# KiCad board Left.kicad_pcb (continued)
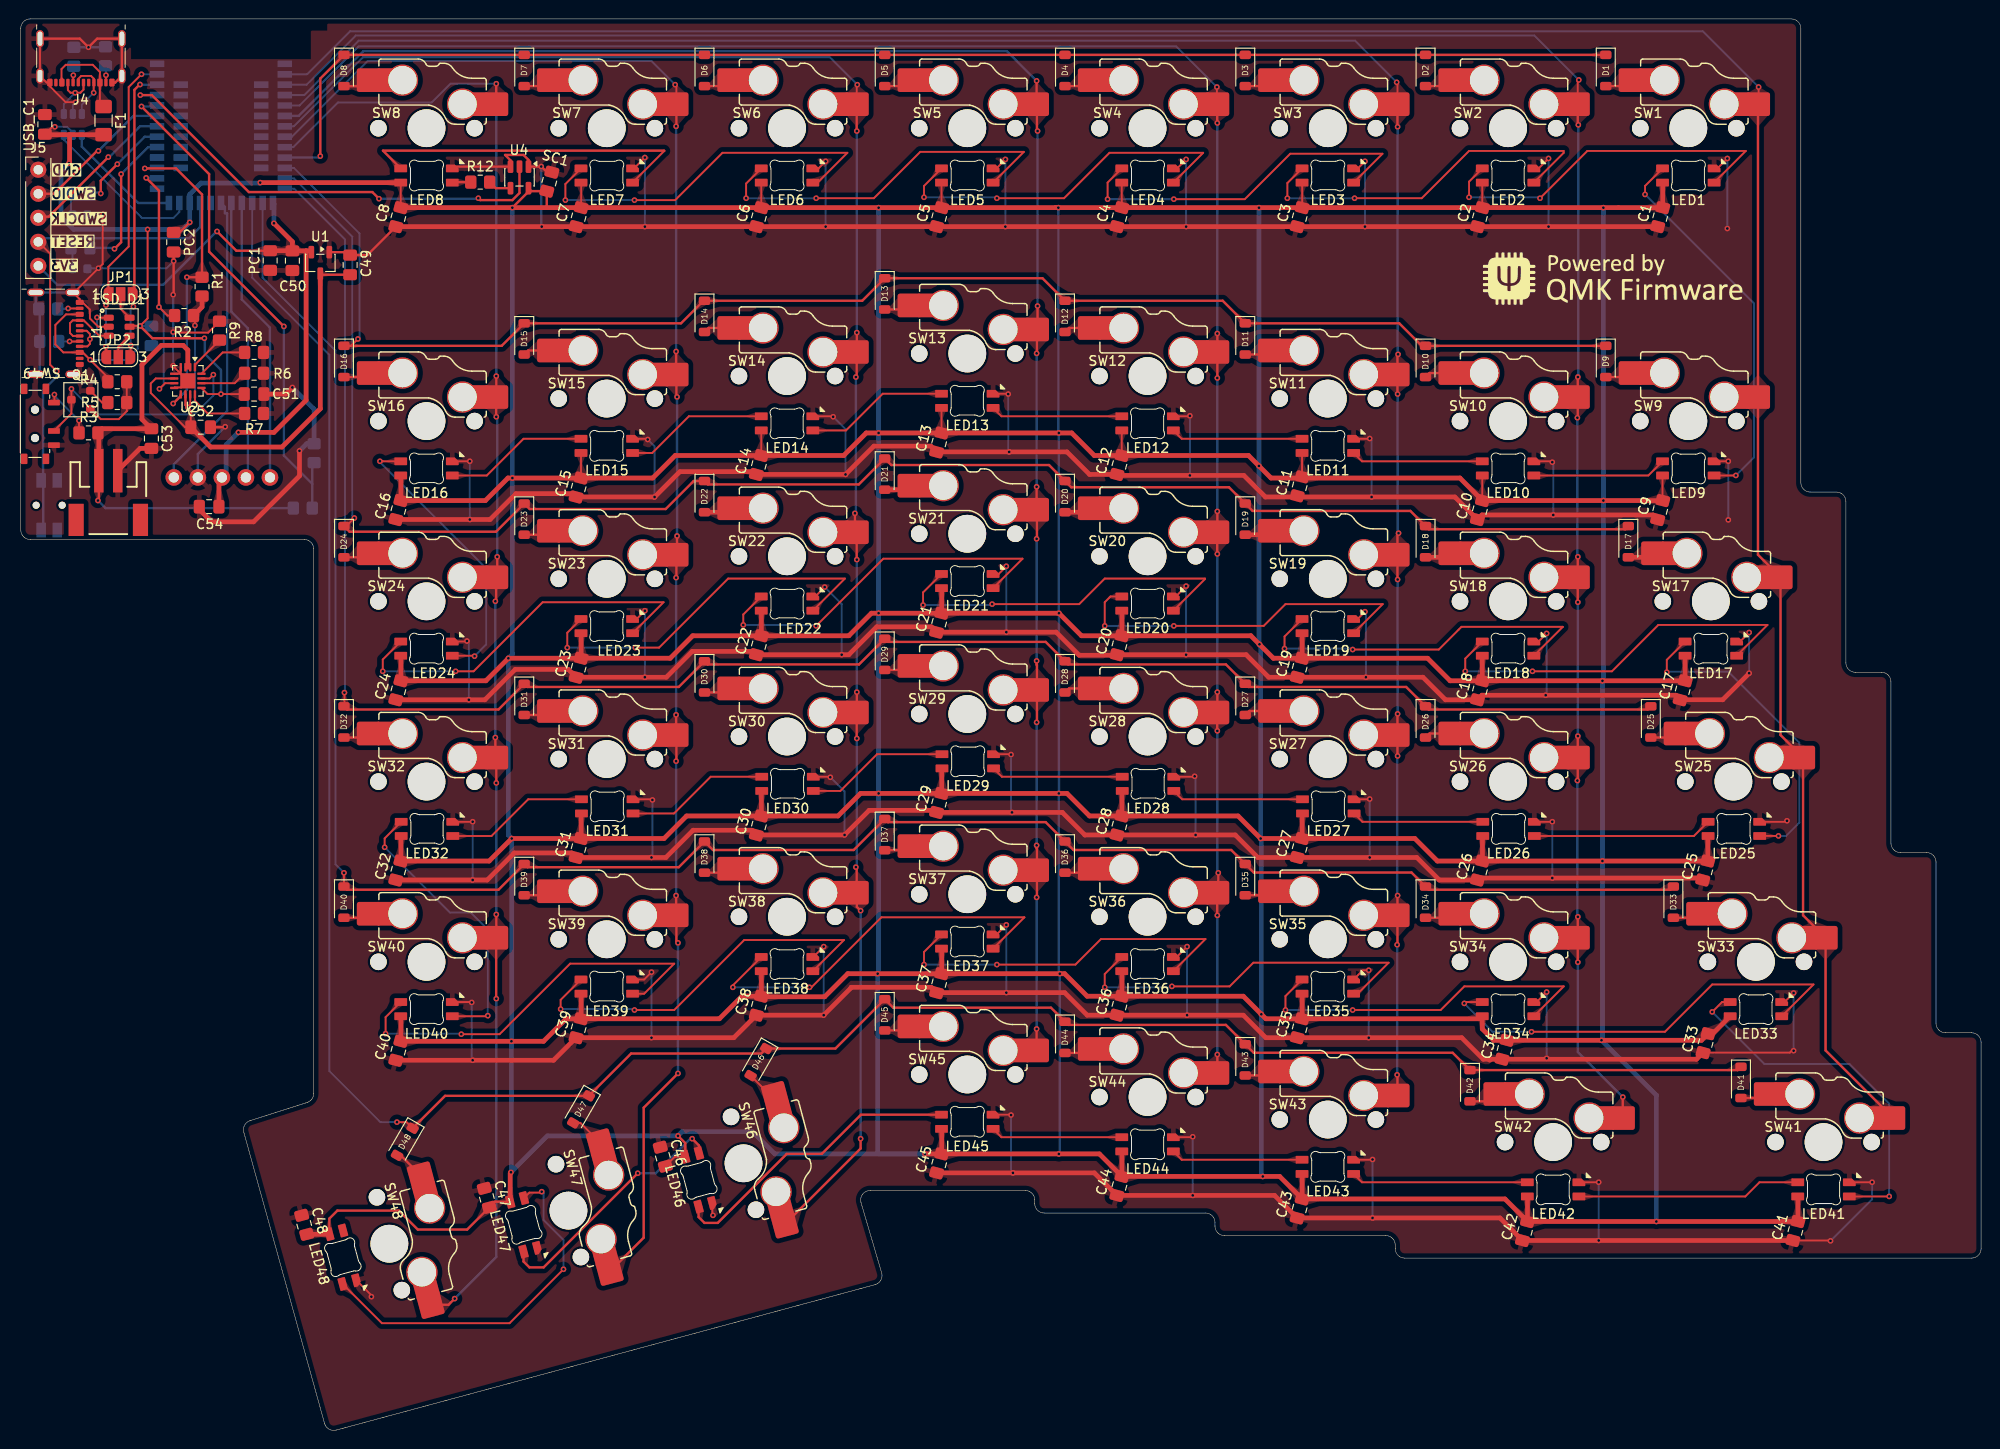
[diagram p0: board, top side]
## Footprints (pads in the part's own frame, mm; a bottom-side part is the same pattern mirrored in y, then rotated)
C_0805_2012Metric_Pad1.18x1.45mm_HandSolder
  rrect 1.175x1.45 smd: 1(-1.038,0) 2(1.038,0)
D_SOD-123
  rrect 0.9x1.2 smd: 1(-1.65,0) 2(1.65,0)
Fuse_1206_3216Metric_Pad1.42x1.75mm_HandSolder
  rrect 1.425x1.75 smd: 1(-1.488,0) 2(1.488,0)
JST_1x02_P2.0mm_Horizontal_SMD
  rect 1x4.6 smd: 1(-1,-3.7) 2(1,-3.7)
  rect 1.6x3.4 smd: NC1(-3.4,1.5) NC2(3.4,1.5)
LED_0603_1608Metric
  rrect 0.875x0.95 smd: 1(-0.787,0) 2(0.787,0)
LED_MX_6028R-ROT
  rrect 1.35x0.82 smd: 1(-2.725,-0.75) 2(-2.725,0.75) 3(2.725,-0.75) 4(2.725,0.75)
LED_MX_6028R-ROT#2
  rrect 1.35x0.82 smd: 1(-2.725,-0.75) 2(-2.725,0.75) 3(2.725,-0.75) 4(2.725,0.75)
nice_view
  round 1.753 hole 1.092: 1(-5.08,-16.51) 2(-2.54,-16.51) 3(0,-16.51) 4(2.54,-16.51) 5(5.08,-16.51)
nRF52840_holyiot_18010
  rect 1.524x0.7 smd: 1(-6.75,5.7) 2(-6.75,4.6) 3(-6.75,3.5) 4(-6.75,2.4) 5(-6.75,1.3) 6(-6.75,0.2) 7(-6.75,-0.9) 8(-6.75,-2) 9(-6.75,-3.1) 10(-6.75,-4.2) 11(-6.75,-5.3) 12(-6.75,-6.4) 13(-6.75,-7.5) 25(6.75,-7.5) 26(6.75,-6.4) 27(6.75,-5.3) 28(6.75,-4.2) 29(6.75,-3.1) 30(6.75,-2) 31(6.75,-0.9) 32(6.75,0.2) 33(6.75,1.3) 34(6.75,2.4) 35(6.75,3.5) 36(6.75,4.6) 37(6.75,5.7) 38(-4.25,3.5) 39(-4.25,2.4) 40(-4.25,1.3) 41(-4.25,0.2) 42(-4.25,-0.9) 43(-4.25,-2) 44(-4.25,-3.1) 45(-4.25,-4.2) 46(-4.25,-5.3) 47(4.25,3.5) 48(4.25,2.4) 49(4.25,1.3) 50(4.25,0.2) 51(4.25,-0.9) 52(4.25,-2) 53(4.25,-3.1) 54(4.25,-4.2) 55(4.25,-5.3)
  rect 0.7x1.524 smd: 14(-5.5,-9) 15(-4.4,-9) 16(-3.3,-9) 17(-2.2,-9) 18(-1.1,-9) 19(0,-9) 20(1.1,-9) 21(2.2,-9) 22(3.3,-9) 23(4.4,-9) 24(5.5,-9)
Panasonic_EVQPUL_EVQPUC
  round 0.75 hole 0.75 unplated: (0,-1.375) (0,1.375)
  rect 1.55x1 smd: 1(-2.625,0.85) 1(2.625,0.85) 2(-2.625,-0.85) 2(2.625,-0.85)
PinHeader_01x05_P2.54mm_Vertical_THT_D1mm
  round 1.7 hole 1: 1(0,0)
  oval 1.7x1.7 hole 1: 2(0,-2.54) 3(0,-5.08) 4(0,-7.62) 5(0,-10.16)
R_0805_2012Metric_Pad1.20x1.40mm_HandSolder
  rrect 1.2x1.4 smd: 1(-1,0) 2(1,0)
SolderJumper-3_P1.3mm_Open_RoundedPad1.0x1.5mm_NumberLabels
  custom 1.05x1.5 smd: 1(-1.3,0) 3(1.3,0)
  rect 1x1.5 smd: 2(0,0)
SOT-23
  rrect 0.9x0.8 smd: 1(-1,0.95) 2(-1,-0.95) 3(1,0)
SOT-23-3
  rrect 1.325x0.6 smd: 1(-1.137,0.95) 2(-1.137,-0.95) 3(1.137,0)
SOT-23-5
  rrect 1.325x0.6 smd: 1(-1.137,0.95) 2(-1.137,0) 3(-1.137,-0.95) 4(1.137,-0.95) 5(1.137,0.95)
SOT-23-6
  rrect 1.06x0.65 smd: 1(-1.1,0.95) 2(-1.1,0) 3(-1.1,-0.95) 4(1.1,-0.95) 5(1.1,0) 6(1.1,0.95)
SOT-23-6#2
  rrect 1.06x0.65 smd: 1(-1.1,0.95) 2(-1.1,0) 3(-1.1,-0.95) 4(1.1,-0.95) 5(1.1,0) 6(1.1,0.95)
SW_MSK12C02-HB
  round 0.85 hole 0.85 unplated: (-1.5,0) (1.5,0)
  rrect 0.6x1.25 smd: 1(2.25,-2) 2(-0.75,-2) 3(-2.25,-2)
  rrect 1.1x0.7 smd: MP(-3.7,-1.15) MP(-3.7,1.15) MP(3.7,-1.15) MP(3.7,1.15)
SW_MX_HS_KS-2P02B01-01_1.5u
  round 1.75 hole 1.75 unplated: (-5.08,0) (5.08,0)
  round 3.988 hole 3.988 unplated: (0,0)
  round 3.3 hole 3: 1(3.81,2.54) 2(-2.54,5.08)
  rect 1.65x2.5 smd: 1(5.635,2.54) 2(-4.34,5.08)
  rrect 2.55x2.5 smd: 1(7.36,2.54) 2(-6.09,5.08)
SW_MX_HS_KS-2P02B01-01_1.25u
  round 1.75 hole 1.75 unplated: (-5.08,0) (5.08,0)
  round 3.988 hole 3.988 unplated: (0,0)
  round 3.3 hole 3: 1(3.81,2.54) 2(-2.54,5.08)
  rect 1.65x2.5 smd: 1(5.635,2.54) 2(-4.34,5.08)
  rrect 2.55x2.5 smd: 1(7.36,2.54) 2(-6.09,5.08)
SW_MX_HS_KS-2P02B01-01_1.75u
  round 1.75 hole 1.75 unplated: (-5.08,0) (5.08,0)
  round 3.988 hole 3.988 unplated: (0,0)
  round 3.3 hole 3: 1(3.81,2.54) 2(-2.54,5.08)
  rect 1.65x2.5 smd: 1(5.635,2.54) 2(-4.34,5.08)
  rrect 2.55x2.5 smd: 1(7.36,2.54) 2(-6.09,5.08)
SW_MX_HS_KS-2P02B01-01_1u
  round 1.75 hole 1.75 unplated: (-5.08,0) (5.08,0)
  round 3.988 hole 3.988 unplated: (0,0)
  round 3.3 hole 3: 1(3.81,2.54) 2(-2.54,5.08)
  rect 1.65x2.5 smd: 1(5.635,2.54) 2(-4.34,5.08)
  rrect 2.55x2.5 smd: 1(7.36,2.54) 2(-6.09,5.08)
USB_C_Receptacle_HRO_TYPE-C-31-M-23
  rrect 0.52x0.8 smd: A1(-3.28,2.425) A4(-2.01,2.425) A9(2.01,2.425) A12(3.28,2.425) B1(3.28,2.425) B4(2.01,2.425) B9(-2.01,2.425) B12(-3.28,2.425)
  rrect 0.35x0.8 smd: A5(-2.645,2.425) A6(-1.375,2.425) A7(1.375,2.425) A8(2.645,2.425) B5(0.825,2.425) B6(0.275,2.425) B7(-0.275,2.425) B8(-0.825,2.425)
  oval 0.8x1.6 hole 0.5x1.3: S1(-4.325,1.725) S1(4.325,1.725)
  oval 0.8x1.8 hole 0.5x1.5: S1(-4.325,-2.215) S1(4.325,-2.215)
VQFN-16-1EP_3x3mm_P0.5mm_EP1.6x1.6mm
  rrect 0.64x0.64 smd: (-0.4,0.4) (-0.4,-0.4) (0.4,0.4) (0.4,-0.4)
  rrect 0.875x0.25 smd: 1(-1.437,0.75) 2(-1.438,0.25) 3(-1.438,-0.25) 4(-1.437,-0.75) 9(1.437,-0.75) 10(1.438,-0.25) 11(1.438,0.25) 12(1.437,0.75)
  rrect 0.25x0.875 smd: 5(-0.75,-1.437) 6(-0.25,-1.438) 7(0.25,-1.438) 8(0.75,-1.437) 13(0.75,1.437) 14(0.25,1.438) 15(-0.25,1.438) 16(-0.75,1.437)
  rect 1.6x1.6 smd: 17(0,0)

## Nets
+3.3V: C50.1 C54.1 J5.5 OLED1.3 PC1.1 U1.2 U3.14
+5V: C1.2 C2.2 C3.2 C4.2 C5.2 C6.2 C7.2 C8.2 C9.2 C10.2 C11.2 C12.2 C13.2 C14.2 C15.2 C16.2 C17.2 C18.2 C19.2 C20.2 C21.2 C22.2 C23.2 C24.2 C25.2 C26.2 C27.2 C28.2 C29.2 C30.2 C31.2 C32.2 C33.2 C34.2 C35.2 C36.2 C37.2 C38.2 C39.2 C40.2 C41.2 C42.2 C43.2 C44.2 C45.2 C46.2 C47.2 C48.2 C51.1 ESD_D1.5 ESD_D2.5 F1.2 J1.A4 J1.A9 J1.B4 J1.B9 LED1.1 LED2.1 LED3.1 LED4.1 LED5.1 LED6.1 LED7.1 LED8.1 LED9.1 LED10.1 LED11.1 LED12.1 LED13.1 LED14.1 LED15.1 LED16.1 LED17.1 LED18.1 LED19.1 LED20.1 LED21.1 LED22.1 LED23.1 LED24.1 LED25.1 LED26.1 LED27.1 LED28.1 LED29.1 LED30.1 LED31.1 LED32.1 LED33.1 LED34.1 LED35.1 LED36.1 LED37.1 LED38.1 LED39.1 LED40.1 LED41.1 LED42.1 LED43.1 LED44.1 LED45.1 LED46.1 LED47.1 LED48.1 PC2.1 R4.2 SC1.1 U2.13 U3.22 U4.5 USB_C1.1 USBI_C1.1
GND: B_LED1.1 C1.1 C2.1 C3.1 C4.1 C5.1 C6.1 C7.1 C8.1 C9.1 C10.1 C11.1 C12.1 C13.1 C14.1 C15.1 C16.1 C17.1 C18.1 C19.1 C20.1 C21.1 C22.1 C23.1 C24.1 C25.1 C26.1 C27.1 C28.1 C29.1 C30.1 C31.1 C32.1 C33.1 C34.1 C35.1 C36.1 C37.1 C38.1 C39.1 C40.1 C41.1 C42.1 C43.1 C44.1 C45.1 C46.1 C47.1 C48.1 C49.2 C50.2 C51.2 C52.2 C53.2 C54.2 ESD_D1.2 ESD_D2.2 G_LED1.1 J1.A1 J1.A12 J1.B1 J1.B12 J1.S1 J3.1 J4.A1 J4.A12 J4.B1 J4.B12 J4.S1 J5.1 LED1.4 LED2.4 LED3.4 LED4.4 LED5.4 LED6.4 LED7.4 LED8.4 LED9.4 LED10.4 LED11.4 LED12.4 LED13.4 LED14.4 LED15.4 LED16.4 LED17.4 LED18.4 LED19.4 LED20.4 LED21.4 LED22.4 LED23.4 LED24.4 LED25.4 LED26.4 LED27.4 LED28.4 LED29.4 LED30.4 LED31.4 LED32.4 LED33.4 LED34.4 LED35.4 LED36.4 LED37.4 LED38.4 LED39.4 LED40.4 LED41.4 LED42.4 LED43.4 LED44.4 LED45.4 LED46.4 LED47.4 LED48.4 OLED1.4 PC1.2 PC2.2 Q1.2 R5.1 R6.1 R7.1 R8.1 R9.1 R11.2 R13.2 R14.2 Reset_Btn1.2 SC1.2 SW49.3 U1.1 U2.4 U2.5 U2.8 U2.17 U3.1 U3.25 U3.37 U4.1 U4.3 USB_C1.2 USBI_C1.2 USBR1.2 USBR2.2
+BATT: C53.1 J3.2 R3.2 R10.1 U2.2 U2.3
+VSW: C49.1 C52.1 R1.2 R2.2 U1.3 U2.6 U2.10 U2.11
BLUE_LED: R15.1 U3.30
BT_CHG: R1.1 U2.9 U3.27
BT_PGOOD: R2.1 U2.7 U3.26
CS: OLED1.5 U3.19
D+: ESD_D2.4 U3.24
D-: ESD_D2.6 U3.23
GREEN_LED: R17.1 U3.29
LINK+: ESD_D1.4 JP2.2
LINK-: ESD_D1.6 JP1.2
MOSI: OLED1.1 U3.17
R_COL1: SW8.1 SW16.1 SW24.1 SW32.1 SW40.1 SW48.1 U3.9
R_COL2: SW7.1 SW15.1 SW23.1 SW31.1 SW39.1 SW47.1 U3.8
R_COL3: SW6.1 SW14.1 SW22.1 SW30.1 SW38.1 SW46.1 U3.7
R_COL4: SW5.1 SW13.1 SW21.1 SW29.1 SW37.1 SW45.1 U3.6
R_COL5: SW4.1 SW12.1 SW20.1 SW28.1 SW36.1 SW44.1 U3.5
R_COL6: SW3.1 SW11.1 SW19.1 SW27.1 SW35.1 SW43.1 U3.4
R_COL7: SW2.1 SW10.1 SW18.1 SW26.1 SW34.1 SW42.1 U3.3
R_COL8: SW1.1 SW9.1 SW17.1 SW25.1 SW33.1 SW41.1 U3.2
R_LED1: LED8.3 R12.1
R_LED_3v3_1: U3.34 U4.2
R_ROW1: D1.1 D2.1 D3.1 D4.1 D5.1 D6.1 D7.1 D8.1 U3.10
R_ROW2: D9.1 D10.1 D11.1 D12.1 D13.1 D14.1 D15.1 D16.1 U3.11
R_ROW3: D17.1 D18.1 D19.1 D20.1 D21.1 D22.1 D23.1 D24.1 U3.12
R_ROW4: D25.1 D26.1 D27.1 D28.1 D29.1 D30.1 D31.1 D32.1 U3.13
R_ROW5: D33.1 D34.1 D35.1 D36.1 D37.1 D38.1 D39.1 D40.1 U3.15
R_ROW6: D41.1 D42.1 D43.1 D44.1 D45.1 D46.1 D47.1 D48.1 U3.16
RESET: J5.4 Reset_Btn1.1 U3.21
SCK: OLED1.2 U3.18
SWDCLK: J5.3 U3.31
SWDIO: J5.2 U3.32
SYS_OFF: Q1.3 SW49.2 U2.15
USART_RX: JP1.1 JP2.1 U3.36
USART_TX: JP1.3 JP2.3 U3.35
VSENSE: R10.2 R11.1 U3.33
Net-(B_LED1-A): B_LED1.2 R15.2
Net-(D1-A): D1.2 SW1.2
Net-(D2-A): D2.2 SW2.2
Net-(D3-A): D3.2 SW3.2
Net-(D4-A): D4.2 SW4.2
Net-(D5-A): D5.2 SW5.2
Net-(D6-A): D6.2 SW6.2
Net-(D7-A): D7.2 SW7.2
Net-(D8-A): D8.2 SW8.2
Net-(D9-A): D9.2 SW9.2
Net-(D10-A): D10.2 SW10.2
Net-(D11-A): D11.2 SW11.2
Net-(D12-A): D12.2 SW12.2
Net-(D13-A): D13.2 SW13.2
Net-(D14-A): D14.2 SW14.2
Net-(D15-A): D15.2 SW15.2
Net-(D16-A): D16.2 SW16.2
Net-(D17-A): D17.2 SW17.2
Net-(D18-A): D18.2 SW18.2
Net-(D19-A): D19.2 SW19.2
Net-(D20-A): D20.2 SW20.2
Net-(D21-A): D21.2 SW21.2
Net-(D22-A): D22.2 SW22.2
Net-(D23-A): D23.2 SW23.2
Net-(D24-A): D24.2 SW24.2
Net-(D25-A): D25.2 SW25.2
Net-(D26-A): D26.2 SW26.2
Net-(D27-A): D27.2 SW27.2
Net-(D28-A): D28.2 SW28.2
Net-(D29-A): D29.2 SW29.2
Net-(D30-A): D30.2 SW30.2
Net-(D31-A): D31.2 SW31.2
Net-(D32-A): D32.2 SW32.2
Net-(D33-A): D33.2 SW33.2
Net-(D34-A): D34.2 SW34.2
Net-(D35-A): D35.2 SW35.2
Net-(D36-A): D36.2 SW36.2
Net-(D37-A): D37.2 SW37.2
Net-(D38-A): D38.2 SW38.2
Net-(D39-A): D39.2 SW39.2
Net-(D40-A): D40.2 SW40.2
Net-(D41-A): D41.2 SW41.2
Net-(D42-A): D42.2 SW42.2
Net-(D43-A): D43.2 SW43.2
Net-(D44-A): D44.2 SW44.2
Net-(D45-A): D45.2 SW45.2
Net-(D46-A): D46.2 SW46.2
Net-(D47-A): D47.2 SW47.2
Net-(D48-A): D48.2 SW48.2
Net-(ESD_D1-L1-Pad1): ESD_D1.1 J1.A7 J1.B7
Net-(ESD_D1-L2-Pad3): ESD_D1.3 J1.A6 J1.B6
Net-(ESD_D2-L1-Pad1): ESD_D2.1 J4.A7 J4.B7
Net-(ESD_D2-L2-Pad3): ESD_D2.3 J4.A6 J4.B6
Net-(F1-Pad1): F1.1 J4.A4 J4.A9 J4.B4 J4.B9
Net-(G_LED1-A): G_LED1.2 R17.2
Net-(J1-CC1): J1.A5 USBR1.1
Net-(J1-CC2): J1.B5 USBR2.1
Net-(J4-CC1): J4.A5 R13.1
Net-(J4-CC2): J4.B5 R14.1
Net-(LED1-DIN): LED1.3 LED2.2
Net-(LED1-DOUT): LED1.2 LED9.3
Net-(LED2-DIN): LED2.3 LED3.2
Net-(LED3-DIN): LED3.3 LED4.2
Net-(LED4-DIN): LED4.3 LED5.2
Net-(LED5-DIN): LED5.3 LED6.2
Net-(LED6-DIN): LED6.3 LED7.2
Net-(LED7-DIN): LED7.3 LED8.2
Net-(LED10-DIN): LED9.2 LED10.3
Net-(LED10-DOUT): LED10.2 LED11.3
Net-(LED11-DOUT): LED11.2 LED12.3
Net-(LED12-DOUT): LED12.2 LED13.3
Net-(LED13-DOUT): LED13.2 LED14.3
Net-(LED14-DOUT): LED14.2 LED15.3
Net-(LED15-DOUT): LED15.2 LED16.3
Net-(LED16-DOUT): LED16.2 LED24.3
Net-(LED17-DIN): LED17.3 LED18.2
Net-(LED17-DOUT): LED17.2 LED25.3
Net-(LED18-DIN): LED18.3 LED19.2
Net-(LED19-DIN): LED19.3 LED20.2
Net-(LED20-DIN): LED20.3 LED21.2
Net-(LED21-DIN): LED21.3 LED22.2
Net-(LED22-DIN): LED22.3 LED23.2
Net-(LED23-DIN): LED23.3 LED24.2
Net-(LED25-DOUT): LED25.2 LED26.3
Net-(LED26-DOUT): LED26.2 LED27.3
Net-(LED27-DOUT): LED27.2 LED28.3
Net-(LED28-DOUT): LED28.2 LED29.3
Net-(LED29-DOUT): LED29.2 LED30.3
Net-(LED30-DOUT): LED30.2 LED31.3
Net-(LED31-DOUT): LED31.2 LED32.3
Net-(LED32-DOUT): LED32.2 LED40.3
Net-(LED33-DIN): LED33.3 LED34.2
Net-(LED33-DOUT): LED33.2 LED41.3
Net-(LED34-DIN): LED34.3 LED35.2
Net-(LED35-DIN): LED35.3 LED36.2
Net-(LED36-DIN): LED36.3 LED37.2
Net-(LED37-DIN): LED37.3 LED38.2
Net-(LED38-DIN): LED38.3 LED39.2
Net-(LED39-DIN): LED39.3 LED40.2
Net-(LED41-DOUT): LED41.2 LED42.3
Net-(LED42-DOUT): LED42.2 LED43.3
Net-(LED43-DOUT): LED43.2 LED44.3
Net-(LED44-DOUT): LED44.2 LED45.3
Net-(LED45-DOUT): LED45.2 LED46.3
Net-(LED46-DOUT): LED46.2 LED47.3
Net-(LED47-DOUT): LED47.2 LED48.3
Net-(Q1-G): Q1.1 R4.1 R5.2
Net-(SW49-A): R3.1 SW49.1
Net-(U2-ILIM): R7.2 U2.12
Net-(U2-ISET): R8.2 U2.16
Net-(U2-TMR): R6.2 U2.14
Net-(U2-TS): R9.2 U2.1
Net-(U4-Y): R12.2 U4.4

Pads without a net: J1 A8 B8; J3 NC1 NC2; J4 A8 B8; LED48 2; SW49 MP; U3 20 28 38 39 40 41 42 43 44 45 46 47 48 49 50 51 52 53 54 55

## Via types
v1: diameter 0.6, hole 0.3, Top to Bottom, 321 vias

## Routing (per net, layer and track width the routed paths; a pad name or vN(x,y) marks a point on that pad's centre or on a via; arc(x,y) is an arc through that point)
+3.3V: length 72
  Top w0.2: 21.37,100.8 OLED1.3
  Top w0.25: PC1.1 22.78,124.65 v1(20.74,126.68)
  Top w0.5: v1(26.76,127.55) 28.71,125.6 C50.1 ; C54.1 20.94,100.37 OLED1.3 ; v1(23.01,105.45) 26.76,105.45 30.16,108.85 30.16,124.63 ; C50.1 30.16,124.63 ; C50.1 28.69,124.65 PC1.1 ; 30.16,124.63 30.57,124.63 U1.2
  Bottom w0.25: J5.5 3.85,121.05 15.06,121.05 20.53,126.52 20.58,126.52 v1(20.74,126.68)
  Bottom w0.5: OLED1.3 21.71,101.14 21.71,104.15 v1(23.01,105.45) ; v1(26.76,127.55) 26.76,129.6 U3.14
+5V: length 1637
  Top w0.2: LED12.1 116.36,103.02 C12.2 ; ESD_D1.5 11.59,116.7 v1(12.61,116.7) 13.41,117.5 v1(13.41,126.9) ; USB_C1.1 3.34,137.75 v1(3.61,137.75) ; LED46.1 69.12,28.89 C46.2 ; C6.2 78.26,129.22 LED6.1 ; LED7.1 59.22,131.83 C7.2 ; J1.A4 4.78,117.92 3.66,116.8 3.66,114.75 4.5,113.9 J1.A9 6.55,113.9 v1(7.33,113.12) 9.2,111.25 R4.2 ; C51.1 19.74,109.5 U2.13 ; C4.2 116.36,129.22 LED4.1 ; C5.2 97.31,129.22 LED5.1 ; LED13.1 97.31,105.41 C13.2 ; LED3.1 135.41,131.55 135.42,131.53 C3.2 ; LED2.1 154.46,129.22 C2.2 ; C9.2 173.51,98.26 LED9.1 ; LED8.1 40.16,129.22 C8.2 ; C15.2 59.21,100.64 LED15.1 ; 135.42,100.62 135.41,100.64 LED11.1 ; LED14.1 78.26,103.02 C14.2 ; C10.2 154.46,98.26 LED10.1
  Top w0.25: v1(51.96,129.2) 53.66,130.9 U4.5 53.97,130.95 SC1.1 55.59,129.23 55.56,129.2 ; LED48.1 32.61,22.35 33.46,23.2 39.96,23.2 41.96,21.2 47.18,21.2 C47.2 ; v1(17.86,127.65) 16.79,126.58 PC2.1 ; v1(51.81,27.25) 51.73,27.17 ; LED47.1 50.12,24.14 C47.2 ; C47.2 49.52,23.07 ; v1(69.46,31.1) 70.23,30.33 LED46.1 ; v1(19.41,115.4) 13.91,115.4 v1(12.61,116.7) 12.69,116.78
  Top w0.5: C22.2 87.51,83.96 89.9,86.34 v1(90.66,86.34) C21.2 ; C22.2 71.01,83.96 68.63,81.57 C23.2 ; C22.2 78.27,86.59 LED22.1 ; C42.2 156.86,24.42 C43.2 ; C42.2 159.24,24.67 LED42.1 ; C42.2 v1(172.86,22.04) C41.2 187.81,24.67 LED41.1 ; 51.73,27.17 LED47.1 ; C48.2 32.59,20.7 LED48.1 ; C23.2 59.22,84.2 LED23.1 ; C23.2 v1(51.53,81.57) 49.15,79.19 C24.2 40.17,81.82 LED24.1 ; LED39.1 59.22,46.1 C39.2 ; v1(5.11,133.9) 5.16,133.95 5.16,136.91 ; LED40.1 40.17,43.72 C40.2 v1(51.86,41.09) 55.25,41.09 57.63,43.47 C39.2 ; C43.2 133.04,26.81 v1(131.26,26.81) C44.2 ; C43.2 135.42,27.05 LED43.1 ; LED44.1 116.37,29.44 C44.2 ; C20.2 112.1,83.96 v1(109.72,86.34) C21.2 ; C20.2 116.37,86.59 LED20.1 ; C20.2 130,83.96 132.38,81.57 C19.2 ; C44.2 113.99,29.19 v1(109.71,29.19) C45.2 ; C36.2 116.37,48.49 LED36.1 ; C36.2 129.2,45.86 v1(131.11,43.95) 131.58,43.47 C35.2 ; C36.2 112.7,45.86 110.32,48.24 v1(109.81,48.24) C37.2 ; LED45.1 97.32,31.82 C45.2 ; C38.2 76.21,45.86 73.83,43.47 C39.2 ; C38.2 78.33,45.8 84.96,45.8 87.4,48.24 v1(90.56,48.24) C37.2 ; C38.2 78.27,48.49 LED38.1 ; v1(25.31,131.85) LED8.1 ; LED21.1 97.32,88.97 C21.2 ; LED16.1 40.17,100.87 C16.2 49.1,98.24 51.48,100.62 v1(51.96,100.62) C15.2 66.78,100.62 69.16,103.01 C14.2 86.97,103.01 89.35,105.39 v1(90.66,105.39) C13.2 v1(109.71,105.39) 111.07,105.39 113.45,103.01 C12.2 129.75,103.01 v1(130.86,101.9) 132.13,100.62 152.09,100.62 C10.2 v1(167.26,98.24) C9.2 ; LED35.1 135.42,46.1 C35.2 ; C19.2 148.68,81.57 151.06,79.19 C18.2 ; C19.2 135.42,84.2 LED19.1 ; C37.2 97.32,50.87 LED37.1 ; C29.2 v1(90.66,67.29) 88.75,67.29 86.36,64.91 C30.2 ; C29.2 v1(109.71,67.29) 110.57,67.29 112.95,64.91 C28.2 ; C29.2 97.32,69.9 LED29.1 ; LED26.1 154.47,62.76 C26.2 ; v1(95.56,29.19) C45.2 ; C30.2 78.27,67.52 LED30.1 ; C30.2 70.36,64.91 67.98,62.52 C31.2 ; C35.2 154.19,43.47 LED34.1 154.46,42.4 155.65,41.2 C34.2 v1(167.06,41.2) 177.62,41.2 C33.2 178.81,41.9 LED33.1 ; C26.2 149.71,60.14 147.33,62.52 C27.2 ; C26.2 v1(167.16,60.14) C25.2 178.29,62.76 LED25.1 ; 109.36,129.2 109.61,129.2 ; 109.36,129.2 v1(90.66,129.2) v1(51.96,129.2) C8.2 ; 109.36,129.2 v1(130.86,129.2) C1.2 173.52,131.83 LED1.1 ; C27.2 v1(131.03,62.52) 128.65,64.91 C28.2 ; C27.2 135.42,65.14 LED27.1 ; USB_C1.1 2.6,136.91 5.16,136.91 ; 5.16,136.91 F1.2 ; C31.2 v1(51.88,62.52) 49.5,60.14 C32.2 40.17,62.76 LED32.1 ; C31.2 59.22,65.14 LED31.1 ; C28.2 116.37,67.52 LED28.1 ; LED17.1 175.89,79.21 C17.2 v1(167.16,79.19) C18.2 ; C18.2 154.46,79.21 LED18.1
  Bottom w0.2: v1(7.33,113.12) 7.36,113.1 11.16,113.1 12.36,114.3 12.36,116.45 v1(12.61,116.7) 12.62,116.68 USBI_C1.1 ; v1(3.61,137.75) 4.89,137.75 5.5,137.14 ESD_D2.5
  Bottom w0.25: v1(19.41,115.4) 19.46,115.35 19.46,113.75 21.16,112.05 v1(21.16,109.5) ; v1(109.71,29.19) 109.81,29.29 v1(109.81,48.24) 109.71,48.34 v1(109.71,67.29) 109.72,67.3 v1(109.72,86.34) 109.71,86.35 v1(109.71,105.39) 109.66,105.44 v1(109.66,129.2)
  Bottom w0.5: v1(90.66,129.2) v1(90.66,105.39) v1(90.66,86.34) v1(90.66,67.29) 90.66,48.34 v1(90.56,48.24) 90.56,29.3 90.67,29.19 v1(95.56,29.19) 95.55,29.2 79.68,29.2 77.33,31.55 69.91,31.55 v1(69.46,31.1) 55.66,31.1 v1(51.81,27.25) 51.86,27.3 v1(51.86,41.09) 51.88,41.12 v1(51.88,62.52) 51.53,62.87 v1(51.53,81.57) 51.96,82 v1(51.96,100.62) v1(51.96,129.2) ; v1(131.26,26.81) 131.11,26.96 v1(131.11,43.95) 131.11,62.45 v1(131.03,62.52) 131.03,82.92 v1(130.91,83.05) ; 130.86,83.1 v1(130.86,101.9) v1(130.86,129.2) ; v1(172.86,22.04) 172.86,35.4 167.06,41.2 v1(167.06,41.2) 167.16,41.3 v1(167.16,60.14) v1(167.16,79.19) 167.26,79.29 v1(167.26,98.24) v1(167.26,129.2) ; v1(5.11,133.9) 4.26,133.05 4.26,128.23 5.59,126.9 17.11,126.9 v1(17.86,127.65) U3.22 17.86,130.61 19.04,131.8 25.26,131.8 v1(25.31,131.85)
GND: length 1358.4
  Top w0.2: LED11.4 142.53,104.77 v1(142.56,104.8) ; J4.S1 J4.S1 2.73,142.42 J4.A12 3.08,142.02 4.75,140.35 v1(5.81,140.35) ; R9.1 19.81,116 16.16,116 v1(16.11,116.05) ; v1(180.36,134.4) 179.31,133.35 LED1.4 ; v1(85.06,134.1) 84.31,133.35 LED6.4 ; LED37.4 103.14,52.38 v1(104.16,53.4) ; LED35.4 141.83,48.6 v1(142.46,48.6) ; LED4.4 122.21,133.35 v1(123.16,134.3) ; v1(85.56,69) 85.5,69.05 LED30.4 ; v1(187.36,46.2) 186.4,45.24 LED33.4 ; LED44.4 123.81,30.95 v1(123.86,31) ; LED16.4 47.45,102.39 v1(47.46,102.4) ; LED25.4 186.55,64.29 v1(186.66,64.4) ; v1(142.56,66.7) 142.53,66.67 LED27.4 ; v1(104.36,109.5) 104.32,109.53 LED13.4 ; LED38.4 83.76,50 v1(84.86,51.1) ; LED15.4 66.18,104.77 v1(66.26,104.7) ; 16.91,111.65 U2.5 ; 16.91,111.65 U2.17 ; 16.91,111.65 U2.4 ; LED23.4 65.08,85.72 v1(65.96,86.6) ; Q1.2 8.6,108.6 R5.1 ; v1(16.11,112.5) 16.11,112.45 U2.17 ; LED43.4 142.83,28.57 v1(142.86,28.6) ; LED5.4 103.11,133.35 v1(104.06,134.3) ; 160.95,39.2 161.06,39.3 v1(161.26,39.3) ; LED9.4 180.45,102.39 v1(180.46,102.4) ; ESD_D1.2 8.19,116.61 7.31,117.5 7.31,118.42 6.54,119.19 J1.A1 6.23,119.54 J1.S1 5.65,120.24 v1(8.21,122.8) 8.66,123.25 8.66,128.45 v1(8.71,128.5) ; U2.17 16.96,110.2 16.27,110.2 U2.8 ; v1(166.76,26.2) 166.75,26.19 LED42.4 ; LED18.4 160.4,83.34 v1(161.26,84.2) ; v1(66.66,48.4) 65.88,47.62 LED39.4 ; LED31.4 66.68,66.67 v1(66.76,66.6) ; LED22.4 83.96,88.1 v1(84.96,89.1) ; v1(161.86,102.3) 161.76,102.39 LED10.4 ; LED36.4 122.16,50 v1(123.26,51.1) ; LED21.4 103.34,90.48 v1(104.16,91.3) ; v1(47.76,64.3) 47.75,64.29 LED32.4 ; v1(47.16,83.4) 47.1,83.34 LED24.4 ; LED17.4 181.7,83.34 v1(182.66,84.3) ; LED20.4 122.06,88.1 v1(123.16,89.2) ; v1(73.16,22.7) 73.09,22.77 LED46.4 ; v1(161.26,46.3) 160.2,45.24 LED34.4 ; v1(187.36,40.1) 187.16,40.1 186.95,39.9 C33.1 ; LED29.4 104.62,71.43 v1(104.66,71.4) ; v1(104.66,33.3) 104.62,33.33 LED45.4 ; LED14.4 85.8,107.15 v1(85.86,107.1) ; LED28.4 124.01,69.05 v1(124.06,69.1) ; v1(37.06,14.1) 37.06,14.24 LED48.4 ; v1(123.56,107.2) 123.51,107.15 LED12.4 ; v1(195.66,26.2) 195.65,26.19 LED41.4 ; LED19.4 141.28,85.72 v1(142.06,86.5) ; v1(161.86,64.3) 161.85,64.29 LED26.4 ; v1(191.26,20) 191.06,20 191.01,20.04 C41.1 ; v1(161.46,134.4) 160.41,133.35 LED2.4 ; LED3.4 141.31,133.35 v1(142.06,134.1) ; LED40.4 47.61,45.24 v1(47.66,45.2) ; LED7.4 64.81,133.35 v1(65.96,134.5)
  Top w0.25: PC2.2 v1(16.16,123.55) 16.16,120.05 v1(16.11,120) ; 56.12,132.9 55.65,132.9 ; U1.1 34.49,124.5 C49.2 36.63,124.18 C8.1 ; C52.2 21.56,106 v1(21.61,106.05) ; J4.A1 9.98,142.42 10.68,143.12 J4.S1 8.07,147.06 v1(7.16,146.15) 6.24,147.06 J4.S1 ; SC1.2 55.6,132.95 v1(55.01,133.55) 54.99,133.53 U4.1 53.66,134.25 53.13,134.77 51.18,134.77 51.76,134.2 U4.3 45.79,133.53 LED8.4
  Top w0.5: 155.16,39.2 155.26,39.09 ; 155.16,39.2 C34.1 177.09,39.2 C33.1 ; 155.16,39.2 154.56,39.2 152.28,41.47 v1(142.46,41.47) C35.1 131.58,41.47 129.2,43.85 v1(123.26,43.85) C36.1 112.7,43.85 110.32,46.23 v1(104.16,46.23) C37.1 96.22,46.8 87.76,46.8 87.76,46.75 v1(84.85,43.85) C38.1 75.36,41.47 v1(66.66,41.47) C39.1 56.31,39.09 v1(47.76,39.09) C40.1 ; v1(182.66,80) 182.66,79.98 179.86,77.19 C17.1 174.89,77.67 v1(161.16,77.67) 154.42,77.67 C18.1 150.56,77.19 148.18,79.57 v1(142.16,79.57) C19.1 131.88,79.57 129.5,81.95 v1(123.16,81.95) C20.1 115.78,81.9 111.86,81.9 109.42,84.33 v1(104.16,84.33) C21.1 96.22,84.9 90.46,84.9 87.51,81.95 v1(86.76,81.95) C22.1 77.39,82.3 70.96,82.3 68.23,79.57 v1(65.96,79.57) C23.1 57.86,80.4 52.26,80.4 49.05,77.19 v1(47.36,77.19) C24.1 ; v1(29.46,103.5) 29.46,100.85 24.61,96 20.16,96 18.87,97.28 C54.2 ; C16.1 v1(47.46,96.24) 49.6,96.24 52.33,98.97 58.34,98.97 C15.1 v1(66.98,98.62) 69.66,101.3 77.44,101.3 C14.1 v1(87.16,101) 90.16,104 96.17,104 C13.1 v1(104.46,103.38) 110.57,103.38 112.95,101 C12.1 115.94,100.9 v1(123.56,100.9) 129.26,100.9 131.53,98.62 v1(142.76,98.62) 151.56,98.62 C10.1 154.42,96.72 v1(161.96,96.72) 172.51,96.72 C9.1 ; J3.1 12.61,103.76 C53.2 ; C1.1 v1(161.46,127.2) v1(142.06,127.2) v1(123.16,127.2) v1(104.06,127.2) v1(85.06,127.2) v1(65.96,127.2) v1(55.06,127.2) C8.1 ; v1(28.71,110.2) 28.01,109.5 C51.2 ; C25.1 177.54,58.35 v1(161.86,58.35) 154.15,58.35 C26.1 149.91,58.14 147.53,60.52 v1(142.56,60.52) C27.1 130.73,60.52 128.35,62.9 v1(124.16,62.9) C28.1 112.46,62.9 112.46,62.9 110.07,65.28 v1(104.76,65.28) C29.1 96.57,65.5 89.66,65.5 v1(87.06,62.9) C30.1 77.24,63.4 71.06,63.4 68.18,60.52 v1(66.66,60.52) C31.1 58.21,61 52.16,61 49.3,58.14 v1(47.76,58.14) C32.1 ; C45.1 v1(104.86,27.18) 113.46,27.18 C44.1 v1(123.86,24.8) 132.51,24.8 C43.1 v1(142.86,22.42) 156.32,22.42 C42.1 v1(166.76,20.04) C41.1
  Bottom w0.2: v1(142.46,48.6) v1(142.46,41.47) ; v1(182.66,80) v1(182.66,84.3) ; v1(104.16,91.3) v1(104.16,84.33) ; v1(166.76,26.2) v1(166.76,20.04) ; v1(142.76,98.62) 142.76,104.6 v1(142.56,104.8) ; v1(65.96,134.5) v1(65.96,127.2) ; v1(180.46,102.4) v1(180.46,96.2) ; v1(86.76,81.95) 86.76,87.3 v1(84.96,89.1) ; v1(66.66,60.52) 66.76,60.62 v1(66.76,66.6) ; Reset_Btn1.2 3.56,95.42 ; v1(84.85,43.85) 84.86,43.85 v1(84.86,51.1) ; v1(104.36,109.5) 104.36,103.48 v1(104.46,103.38) ; v1(87.16,101) 87.16,105.79 v1(85.86,107.1) ; v1(124.06,69.1) 124.16,69 v1(124.16,62.9) ; v1(187.36,46.2) v1(187.36,40.1) ; v1(66.26,104.7) 66.98,103.97 v1(66.98,98.62) ; v1(195.66,26.2) 195.66,24.4 v1(191.26,20) ; ESD_D2.2 5.5,140.04 v1(5.81,140.35) ; v1(85.56,69) 87.06,67.49 v1(87.06,62.9) ; v1(104.06,134.3) v1(104.06,127.2) ; v1(16.11,112.5) v1(16.11,116.05) ; v1(142.16,79.57) 142.16,86.4 v1(142.06,86.5) ; v1(161.26,46.3) v1(161.26,39.3) ; v1(123.26,51.1) v1(123.26,43.85) ; v1(47.66,45.2) 47.66,39.19 v1(47.76,39.09) ; v1(47.76,64.3) v1(47.76,58.14) ; v1(161.16,77.67) 161.26,77.77 v1(161.26,84.2) ; v1(47.16,83.4) 47.36,83.2 v1(47.36,77.19) ; v1(161.96,96.72) 161.96,102.2 v1(161.86,102.3) ; v1(123.16,134.3) v1(123.16,127.2) ; v1(104.86,27.18) 104.66,27.38 v1(104.66,33.3) ; v1(142.06,134.1) v1(142.06,127.2) ; v1(104.16,53.4) v1(104.16,46.23) ; G_LED1.1 7.09,122.8 v1(8.21,122.8) 15.41,122.8 v1(16.16,123.55) ; v1(142.56,66.7) v1(142.56,60.52) ; B_LED1.1 7.09,128.5 v1(8.71,128.5) ; v1(85.06,134.1) v1(85.06,127.2) ; v1(104.66,71.4) 104.66,65.38 v1(104.76,65.28) ; v1(66.66,48.4) v1(66.66,41.47) ; v1(161.46,134.4) v1(161.46,127.2) ; v1(47.46,102.4) v1(47.46,96.24) ; v1(161.86,64.3) v1(161.86,58.35) ; v1(65.96,86.6) v1(65.96,79.57) ; v1(123.56,107.2) v1(123.56,100.9) ; v1(123.16,89.2) v1(123.16,81.95) ; v1(180.36,134.4) v1(180.36,127) ; v1(142.86,28.6) v1(142.86,22.42) ; v1(123.86,31) v1(123.86,24.8)
  Bottom w0.25: R14.2 v1(7.16,146.15) 8.91,146.15 R13.2 ; v1(16.11,120) v1(16.11,116.05) ; J1.S1 J1.S1 1.59,118.82 USBR1.2 1.91,118.35 2.01,118.25 USBR2.2 2.01,112.01 J1.S1 ; v1(55.01,133.55) 55.01,127.25 v1(55.06,127.2) ; v1(21.61,106.05) 18.72,103.16 OLED1.4
  Bottom w0.5: v1(29.46,103.5) 30.21,104.25 R11.2 31.01,107.9 v1(28.71,110.2)
+BATT: length 49.4
  Top w0.2: U2.3 U2.2
  Top w0.25: v1(8.16,98.25) 8.25,98.34 J3.2
  Top w0.5: 17.66,112.33 17.66,114.15 17.16,114.65 14.86,114.65 12.81,112.6 12.81,106.83 C53.1 8.59,105.83 R3.2 8.25,105.3 J3.2
  Bottom w0.25: v1(8.16,98.25) 8.96,97.45 R10.1
+VSW: length 61
  Top w0.2: 17.91,106.06 C52.1 ; C52.1 17.36,106 13.74,109.62 13.74,110.62 14.27,111.15 U2.6 ; C52.1 17.97,107.73 17.66,108.05 v1(17.66,108.1) 17.91,108.35 U2.11 ; v1(18.41,116.75) 18.41,117.65 R2.2 18.31,117.85
  Top w0.25: U2.10 17.41,108.35 v1(17.66,108.1) ; C49.1 31.77,122.11 U1.3
  Top w0.5: R2.2 19.16,118.7 R1.2 ; U1.3 31.66,107.95 27.61,103.9 20.07,103.9 C52.1
  Bottom w0.2: v1(18.41,116.75) 18.41,108.85 v1(17.66,108.1)
BLUE_LED: length 10.4
  Top w0.25: v1(8.46,130.7) 8.46,132.05 v1(10.21,133.8)
  Bottom w0.25: v1(8.46,130.7) 8.36,130.8 R15.1 ; U3.30 13.11,136.7 v1(10.21,133.8)
BT_CHG: length 34.1
  Top w0.25: v1(17.56,121.85) R1.1 19.16,130.6 16.41,133.35 v1(13.11,133.35) ; v1(16.11,108.5) 16.91,109.3 U2.9
  Bottom w0.25: v1(13.11,133.35) 14.36,133.35 U3.27 ; v1(17.56,121.85) 17.56,109.95 v1(16.11,108.5)
BT_PGOOD: length 28.3
  Top w0.2: v1(14.66,110.05) 15.26,110.65 U2.7 ; R2.1 15.51,117.8 v1(14.61,118.7)
  Top w0.25: v1(13.26,132.35) 14.61,131 v1(14.61,118.7)
  Bottom w0.2: v1(14.61,118.7) 15.11,118.2 15.11,110.5 v1(14.66,110.05)
  Bottom w0.25: U3.26 14.36,132.35 v1(13.26,132.35)
CS: length 31.7
  Bottom w0.25: U3.19 21.58,129.27 21.58,128.61 21.81,128.61 21.81,118.01 21.81,118.01 21.81,107.7 16.18,102.07 OLED1.5
D+: length 12.9
  Bottom w0.25: U3.24 12.41,129.7 6.45,135.65 ESD_D2.4
D-: length 17.4
  Bottom w0.2: ESD_D2.6 4.55,136.37 12.82,128.1 16.12,128.1 16.76,128.74 U3.23
GREEN_LED: length 15.8
  Top w0.25: v1(9.91,124.85) 10.61,125.55 v1(10.61,132.75)
  Bottom w0.25: U3.29 13.46,135.6 v1(10.61,132.75) ; v1(9.91,124.85) 9.81,124.95 R17.1
LINK+: length 2.8
  Top w0.2: JP2.2 10.31,114.47 ESD_D1.4
LINK-: length 2.9
  Top w0.2: ESD_D1.6 10.56,118.51 JP1.2
MOSI: length 30.2
  Bottom w0.25: OLED1.1 26.34,116.52 23.36,119.5 U3.17
R_COL1: length 160.5
  Top w0.25: v1(50.36,92.3) 50.36,90.25 SW24.1 50.24,87.68 v1(50.16,87.6) ; v1(50.26,107.1) 50.24,107.11 SW16.1 50.26,109.2 v1(50.26,111.4) ; v1(50.26,68.4) 50.26,71.07 SW32.1 50.16,71.17 v1(50.16,73.2) ; v1(50.26,142.3) 50.24,142.28 SW8.1 ; v1(50.26,45.6) 50.24,45.61 SW40.1 50.26,52.05 v1(50.26,54.5) ; SW48.1 45.2,13.25 v1(45.86,13.9)
  Bottom w0.2: U3.9 28.81,135.6 33.53,140.32 43.43,140.32 45.41,142.3 v1(50.26,142.3)
  Bottom w0.25: v1(50.26,45.6) 50.26,18.3 v1(45.86,13.9) ; v1(50.36,92.3) 50.36,107 v1(50.26,107.1) ; v1(50.26,142.3) v1(50.26,111.4) ; v1(50.26,68.4) v1(50.26,54.5) ; v1(50.16,87.6) v1(50.16,73.2)
R_COL2: length 174.3
  Top w0.2: v1(69.16,142.2) 69.29,142.06 SW7.1
  Top w0.25: v1(69.46,37.7) 65.83,34.07 65.83,20.34 SW47.1 ; v1(69.26,137.8) 69.29,137.83 SW7.1 ; v1(69.36,94.5) 69.36,92.58 SW23.1 69.29,90.13 v1(69.26,90.1) ; v1(69.46,51.5) 69.29,51.66 SW39.1 69.26,54.45 v1(69.26,56.5) ; v1(69.26,114) 69.26,111.6 69.29,111.56 69.29,109.26 v1(69.36,109.2) ; v1(69.26,70.7) 69.29,70.73 SW31.1 69.26,73.5 v1(69.26,75.6)
  Bottom w0.2: U3.8 28.66,136.7 36.66,144.7 66.66,144.7 v1(69.16,142.2)
  Bottom w0.25: v1(69.36,109.2) v1(69.36,94.5) ; v1(69.26,90.1) v1(69.26,75.6) ; v1(69.26,137.8) v1(69.26,114) ; v1(69.26,70.7) v1(69.26,56.5) ; v1(69.46,51.5) v1(69.46,37.7)
R_COL3: length 189
  Top w0.2: v1(88.41,142.2) 88.34,142.13 SW6.1
  Top w0.25: v1(88.16,96.9) 88.16,95.08 SW22.1 88.34,92.01 v1(88.36,92) ; v1(88.36,78) 88.36,75.86 SW30.1 88.34,73.11 v1(88.36,73.1) ; SW46.1 88.76,29.76 v1(88.76,30.8) ; SW6.1 88.34,137.31 v1(88.36,137.3) ; v1(88.76,54.9) 88.36,55.3 88.36,56.78 SW38.1 88.34,59.41 v1(88.26,59.5) ; v1(88.26,111.3) 88.34,111.38 SW14.1 88.36,113.96 v1(88.36,116)
  Bottom w0.2: U3.7 28.87,137.8 36.17,145.1 85.51,145.1 v1(88.41,142.2)
  Bottom w0.25: v1(88.26,59.5) 88.36,59.6 v1(88.36,73.1) ; v1(88.16,96.9) 88.26,97 v1(88.26,111.3) ; v1(88.36,92) v1(88.36,78) ; v1(88.76,54.9) v1(88.76,30.8) ; v1(88.36,137.3) v1(88.36,116)
R_COL4: length 186.2
  Top w0.25: v1(107.46,118.8) 107.46,116.39 SW13.1 107.39,113.83 v1(107.36,113.8) ; v1(107.36,142.6) 107.36,140.17 SW5.1 107.39,137.36 v1(107.46,137.3) ; v1(107.36,99.7) 107.36,97.31 SW21.1 107.39,94.23 v1(107.36,94.2) ; v1(107.36,61.8) 107.36,61.5 107.39,61.46 SW37.1 107.39,56.33 v1(107.36,56.3) ; v1(107.36,74.8) 107.39,74.83 SW29.1 107.39,80.86 107.36,80.9 v1(107.36,81.3) ; v1(107.36,42.4) 107.36,40.16 SW45.1
  Bottom w0.25: v1(107.36,113.8) v1(107.36,99.7) ; v1(107.36,94.2) v1(107.36,81.3) ; v1(107.46,137.3) v1(107.46,118.8) ; v1(107.36,56.3) v1(107.36,42.4) ; v1(107.36,142.6) 104.21,145.75 36.22,145.75 29.37,138.9 U3.6 ; v1(107.36,74.8) v1(107.36,61.8)
R_COL5: length 207.2
  Top w0.2: v1(126.41,141.95) 126.41,140.17 126.44,140.14
  Top w0.25: v1(126.46,39.7) 126.46,37.76 126.44,37.74 ; v1(126.46,138.15) 126.44,138.16 126.44,140.14 ; v1(126.46,115.9) 126.46,113.96 126.44,113.94 126.46,113.93 v1(126.46,111.2) ; v1(126.46,92.6) 126.44,92.61 126.44,94.89 126.46,94.91 v1(126.46,97.1) ; v1(126.56,58.9) 126.56,56.91 126.44,56.79 126.44,54.41 v1(126.46,54.4) ; v1(126.46,73.9) 126.44,73.91 126.44,75.84 126.46,75.86 v1(126.46,78)
  Bottom w0.2: U3.5 29.46,140 35.71,146.25 122.11,146.25 v1(126.41,141.95)
  Bottom w0.25: v1(126.46,138.15) v1(126.46,115.9) ; v1(126.46,73.9) 126.46,59 v1(126.56,58.9) ; v1(126.46,54.4) v1(126.46,39.7) ; v1(126.46,92.6) v1(126.46,78) ; v1(126.46,111.2) v1(126.46,97.1)
R_COL6: length 229.1
  Top w0.2: v1(145.41,142.45) 145.49,142.36 SW3.1
  Top w0.25: SW43.1 145.49,37.51 v1(145.46,37.55) ; v1(145.56,113.7) 145.49,113.63 145.49,109.51 v1(145.51,109.5) ; v1(145.51,137.75) 145.49,137.76 SW3.1 ; v1(145.51,71.25) 145.49,71.26 SW27.1 145.49,75.68 v1(145.51,75.7) ; v1(145.61,94.8) 145.49,94.68 SW19.1 145.49,89.91 v1(145.51,89.9) ; v1(145.46,51.3) 145.49,51.33 SW35.1 145.49,56.48 v1(145.51,56.5)
  Bottom w0.2: U3.4 29.96,141.1 35.71,146.85 141.01,146.85 v1(145.41,142.45)
  Bottom w0.25: v1(145.46,51.3) v1(145.46,37.55) ; v1(145.56,113.7) 145.51,113.75 v1(145.51,137.75) ; v1(145.51,56.5) 145.46,56.55 145.46,71.2 v1(145.51,71.25) ; v1(145.61,94.8) 145.51,94.9 v1(145.51,109.5) ; v1(145.51,89.9) v1(145.51,75.7)
R_COL7: length 252.7
  Top w0.2: v1(164.66,142.7) 164.54,142.58 164.54,140.14
  Top w0.25: v1(169.31,35.2) 169.3,35.19 SW42.1 ; v1(164.56,111.3) 164.54,111.28 164.54,107.03 v1(164.51,107) ; v1(164.56,49.45) 164.54,49.46 164.54,54.23 v1(164.56,54.25) ; v1(164.56,92.3) 164.54,92.28 164.54,87.51 v1(164.56,87.5) ; v1(164.61,137.95) 164.54,138.01 164.54,140.14 ; v1(164.56,73.35) 164.54,73.33 164.54,68.68 v1(164.51,68.65)
  Bottom w0.2: U3.3 30.21,142.2 35.41,147.4 159.96,147.4 v1(164.66,142.7)
  Bottom w0.25: v1(164.56,49.45) 164.56,39.95 v1(169.31,35.2) ; v1(164.61,137.95) 164.61,111.35 v1(164.56,111.3) ; v1(164.51,107) 164.51,92.35 v1(164.56,92.3) ; v1(164.51,68.65) 164.51,54.3 v1(164.56,54.25) ; v1(164.56,87.5) v1(164.56,73.35)
